# KiCad board noraneko42a.kicad_pcb
date: 2022-09-22
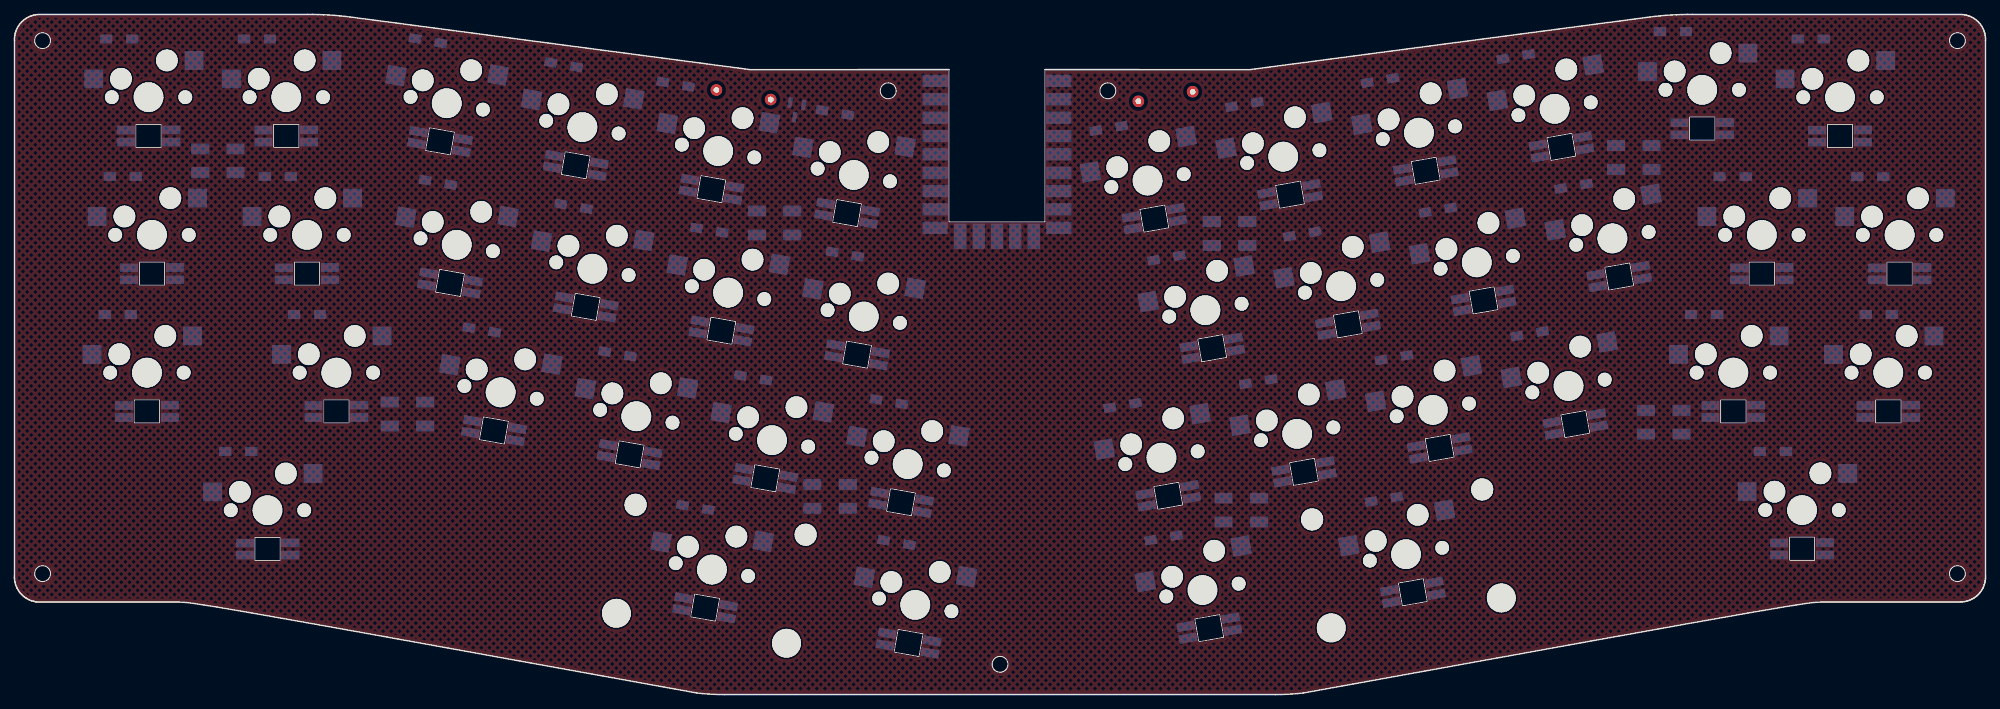
[diagram p0: board, top side]
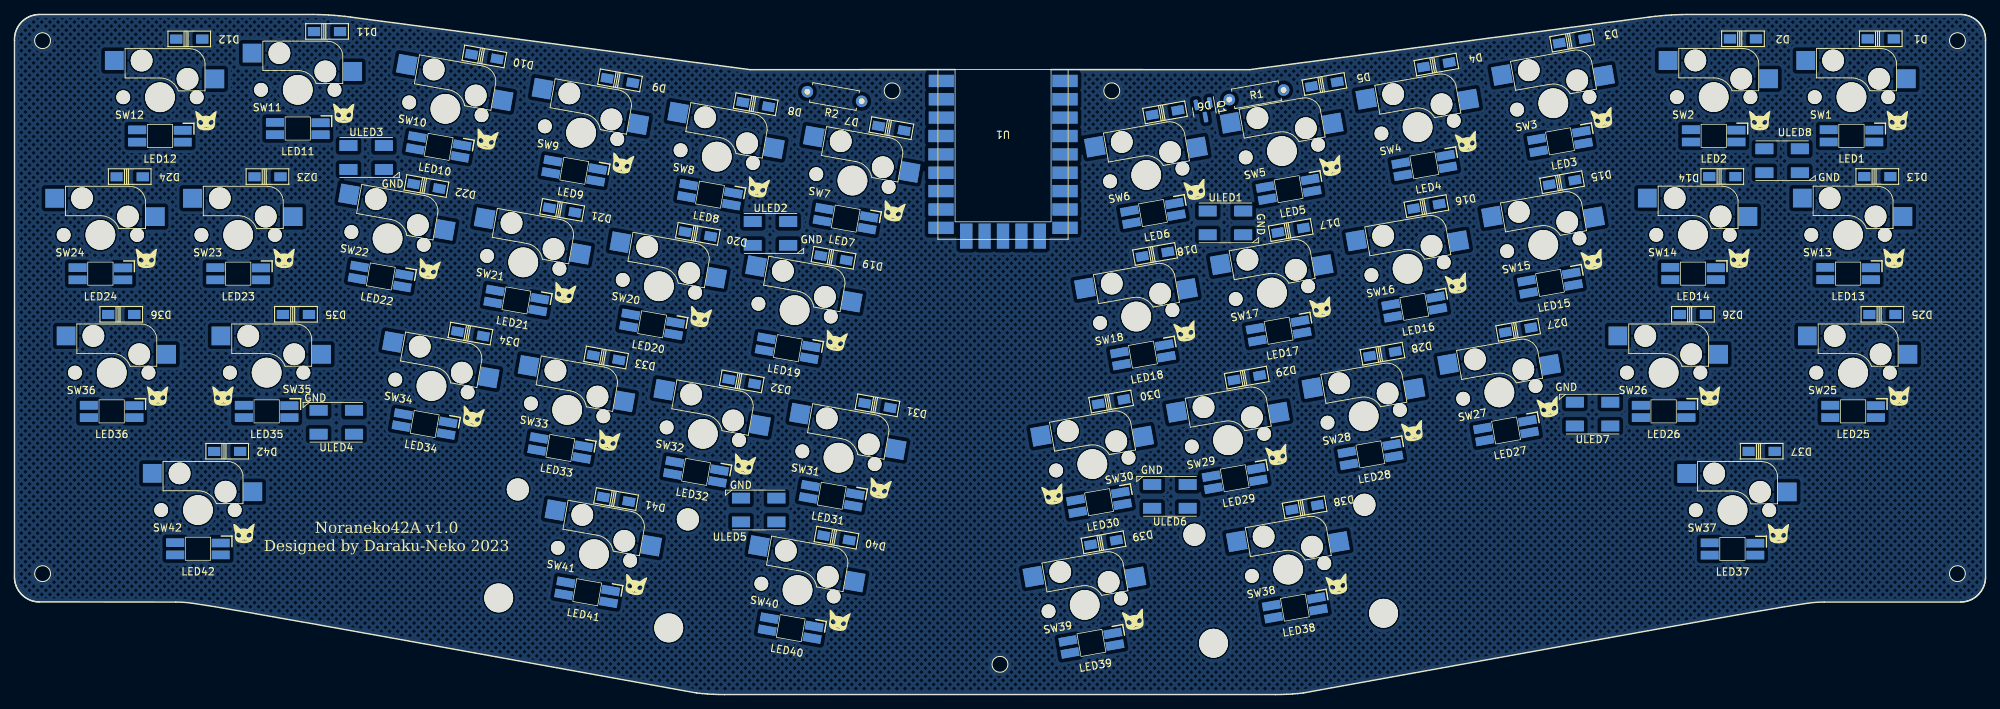
[diagram p1: board, bottom side, seen from below]

Outline 272.54 x 94.09 mm; copper layers: Top, Bottom. Coordinates in mm from the lower left corner of the outline.
Outline path: circle c3.88,90.47 r1.1 ; circle c3.89,16.73 r1.1 ; circle c120.81,83.53 r1.1 ; circle c136.27,4.18 r1.1 ; circle c151.18,83.53 r1.1 ; circle c268.65,16.73 r1.1 ; circle c268.65,90.47 r1.1 ; 22.31,12.8 3.43,12.8 3.26,12.8 3.09,12.82 2.91,12.84 2.74,12.87 2.58,12.91 2.41,12.96 2.25,13.02 2.09,13.08 1.93,13.15 1.78,13.23 1.63,13.32 1.49,13.42 1.35,13.52 1.22,13.63 1.09,13.74 0.96,13.87 0.84,14 0.73,14.13 0.63,14.27 0.53,14.41 0.45,14.56 0.37,14.71 0.29,14.87 0.23,15.03 0.17,15.19 0.12,15.35 0.08,15.52 0.05,15.69 0.02,15.86 0.01,16.03 0,16.21 0,16.38 0,90.51 0,90.68 0.01,90.86 0.02,91.03 0.05,91.2 0.08,91.37 0.12,91.53 0.17,91.7 0.23,91.86 0.29,92.02 0.37,92.18 0.45,92.33 0.54,92.48 0.63,92.62 0.74,92.76 0.85,92.89 0.96,93.02 1.09,93.15 1.22,93.26 1.35,93.37 1.49,93.47 1.63,93.57 1.78,93.65 1.94,93.73 2.09,93.81 2.25,93.87 2.41,93.93 2.58,93.98 2.75,94.02 2.92,94.05 3.09,94.07 3.26,94.08 3.43,94.09 40.5,94.09 41.24,94.09 41.98,94.08 42.72,94.06 43.46,94.02 44.2,93.97 44.93,93.91 45.67,93.83 46.41,93.74 97.21,87.05 101.73,86.46 129.21,86.47 ; 94.32,0.22 95.09,0.14 95.87,0.08 96.64,0.03 97.41,0.01 98.19,0 174.35,0 175.12,0.01 175.9,0.03 176.67,0.08 177.45,0.14 178.22,0.22 ; 142.48,86.47 170.81,86.46 175.33,87.05 226.13,93.74 226.87,93.83 227.6,93.91 228.34,93.97 229.08,94.02 229.82,94.06 230.56,94.08 231.3,94.09 232.04,94.09 269.1,94.09 269.28,94.08 269.45,94.07 269.62,94.05 269.79,94.02 269.96,93.98 270.13,93.93 270.29,93.87 270.45,93.81 270.6,93.73 270.76,93.65 270.9,93.57 271.05,93.47 271.19,93.37 271.32,93.26 271.45,93.15 271.58,93.02 271.69,92.89 271.8,92.76 271.91,92.62 272,92.48 272.09,92.33 272.17,92.18 272.24,92.02 272.31,91.86 272.37,91.7 272.42,91.53 272.46,91.37 272.49,91.2 272.51,91.03 272.53,90.86 272.54,90.68 272.54,90.51 272.54,16.4 272.54,16.23 272.53,16.05 272.51,15.88 272.49,15.71 272.46,15.54 272.42,15.37 272.37,15.21 272.31,15.04 272.25,14.89 272.17,14.73 272.09,14.58 272,14.43 271.91,14.29 271.8,14.15 271.69,14.01 271.58,13.88 271.45,13.76 271.32,13.64 271.19,13.54 271.05,13.43 270.9,13.34 270.76,13.25 270.6,13.17 270.45,13.1 270.29,13.04 270.13,12.98 269.96,12.93 269.79,12.89 269.62,12.86 269.45,12.84 269.28,12.82 269.1,12.82 250.23,12.8
Stack: Top 0.035mm / dielectric 1.51mm FR4 er 4.5 / Bottom 0.035mm

## Placement (name value [footprint] x y rotation side)
D1  D  [1N4148W]  14.49 90.7 180 bottom
D2  D  [1N4148W]  33.54 90.7 180 bottom
D3  D  [1N4148W]  57.17 90.44 170 bottom
D4  D  [1N4148W]  75.93 87.13 170 bottom
D5  D  [1N4148W]  91.41 84.44 170 bottom
D6  D  [1N4148W]  113.45 80.52 170 bottom
D7  D  [1N4148W]  151.29 78.34 190 bottom
D8  D  [1N4148W]  170.05 81.65 190 bottom
D9  D  [1N4148W]  188.81 84.96 190 bottom
D10  D  [1N4148W]  207.58 88.26 190 bottom
D11  D  [1N4148W]  229.32 91.72 180 bottom
D12  D  [1N4148W]  248.37 90.69 180 bottom
D13  D  [1N4148W]  14.96 71.65 180 bottom
D14  D  [1N4148W]  36.39 71.65 180 bottom
D15  D  [1N4148W]  58.55 70.85 170 bottom
D16  D  [1N4148W]  77.31 67.55 170 bottom
D17  D  [1N4148W]  96.07 64.24 170 bottom
D18  D  [1N4148W]  114.83 60.93 170 bottom
D19  D  [1N4148W]  159.29 60.41 190 bottom
D20  D  [1N4148W]  178.05 63.71 190 bottom
D21  D  [1N4148W]  196.81 67.02 190 bottom
D22  D  [1N4148W]  215.57 70.33 190 bottom
D23  D  [1N4148W]  237.56 71.64 180 bottom
D24  D  [1N4148W]  256.61 71.64 180 bottom
D25  D  [1N4148W]  14.27 52.59 180 bottom
D26  D  [1N4148W]  40.46 52.59 180 bottom
D27  D  [1N4148W]  64.62 50.44 170 bottom
D28  D  [1N4148W]  83.38 47.13 170 bottom
D29  D  [1N4148W]  102.14 43.82 170 bottom
D30  D  [1N4148W]  120.9 40.52 170 bottom
D31  D  [1N4148W]  153.22 39.99 190 bottom
D32  D  [1N4148W]  171.98 43.3 190 bottom
D33  D  [1N4148W]  190.74 46.61 190 bottom
D34  D  [1N4148W]  209.5 49.92 190 bottom
D35  D  [1N4148W]  233.62 52.59 180 bottom
D36  D  [1N4148W]  257.77 52.59 180 bottom
D37  D  [1N4148W]  30.95 33.65 180 bottom
D38  D  [1N4148W]  94.15 25.89 170 bottom
D39  D  [1N4148W]  121.96 21.04 170 bottom
D40  D  [1N4148W]  158.89 21.68 190 bottom
D41  D  [1N4148W]  189.36 27.02 190 bottom
D42  D  [1N4148W]  243.12 33.64 180 bottom
LED1  -  [SK6812MINI-E]  18.54 77.29 0 bottom
LED2  -  [SK6812MINI-E]  37.59 77.29 0 bottom
LED3  -  [SK6812MINI-E]  58.84 76.54 350 bottom
LED4  -  [SK6812MINI-E]  77.6 73.23 350 bottom
LED5  -  [SK6812MINI-E]  96.36 69.92 350 bottom
LED6  -  [SK6812MINI-E]  115.12 66.61 350 bottom
LED7  -  [SK6812MINI-E]  157.61 65.85 10 bottom
LED8  -  [SK6812MINI-E]  176.37 69.16 10 bottom
LED9  -  [SK6812MINI-E]  195.13 72.47 10 bottom
LED10  -  [SK6812MINI-E]  213.89 75.77 10 bottom
LED11  -  [SK6812MINI-E]  233.37 78.31 0 bottom
LED12  -  [SK6812MINI-E]  252.42 77.28 0 bottom
LED13  -  [SK6812MINI-E]  19.01 58.24 0 bottom
LED14  -  [SK6812MINI-E]  40.44 58.24 0 bottom
LED15  -  [SK6812MINI-E]  60.22 56.95 350 bottom
LED16  -  [SK6812MINI-E]  78.98 53.64 350 bottom
LED17  -  [SK6812MINI-E]  97.74 50.33 350 bottom
LED18  -  [SK6812MINI-E]  116.5 47.03 350 bottom
LED19  -  [SK6812MINI-E]  165.61 47.92 10 bottom
LED20  -  [SK6812MINI-E]  184.37 51.22 10 bottom
LED21  -  [SK6812MINI-E]  203.13 54.53 10 bottom
LED22  -  [SK6812MINI-E]  221.89 57.84 10 bottom
LED23  -  [SK6812MINI-E]  241.61 58.23 0 bottom
LED24  -  [SK6812MINI-E]  260.66 58.23 0 bottom
LED25  -  [SK6812MINI-E]  18.32 39.18 0 bottom
LED26  -  [SK6812MINI-E]  44.51 39.18 0 bottom
LED27  -  [SK6812MINI-E]  66.29 36.54 350 bottom
LED28  -  [SK6812MINI-E]  85.06 33.23 350 bottom
LED29  -  [SK6812MINI-E]  103.82 29.92 350 bottom
LED30  SK6812MINI-E  [SK6812MINI-E_cat_right]  122.58 26.61 350 bottom
LED31  -  [SK6812MINI-E]  159.54 27.5 10 bottom
LED32  -  [SK6812MINI-E]  178.3 30.81 10 bottom
LED33  -  [SK6812MINI-E]  197.06 34.12 10 bottom
LED34  -  [SK6812MINI-E]  215.82 37.43 10 bottom
LED35  SK6812MINI-E  [SK6812MINI-E_cat_right]  237.67 39.18 0 bottom
LED36  -  [SK6812MINI-E]  259.1 39.18 0 bottom
LED37  -  [SK6812MINI-E]  34.99 20.14 0 bottom
LED38  -  [SK6812MINI-E]  95.5 12.02 350 bottom
LED39  -  [SK6812MINI-E]  123.63 7.13 350 bottom
LED40  -  [SK6812MINI-E]  165.21 9.19 10 bottom
LED41  -  [SK6812MINI-E]  193.35 14.15 10 bottom
LED42  -  [SK6812MINI-E]  247.17 20.17 0 bottom
Q1  BSS138  [SOT-23]  108.02 80.81 260 bottom
R1  1K  [R_Axial_DIN0207_L6.3mm_D2.5mm_P7.62mm_Horizontal]  97.05 83.64 350 bottom
R2  1K  [R_Axial_DIN0207_L6.3mm_D2.5mm_P7.62mm_Horizontal]  155.4 82.08 10 bottom
SW1  SW_Push  [MX_Socket]  18.54 82.65 0 top
SW2  SW_Push  [MX_Socket]  37.59 82.65 0 top
SW3  SW_Push  [MX_Socket]  59.77 81.81 350 top
SW4  SW_Push  [MX_Socket]  78.53 78.5 350 top
SW5  SW_Push  [MX_Socket]  97.29 75.19 350 top
SW6  SW_Push  [MX_Socket]  116.05 71.89 350 top
SW7  SW_Push  [MX_Socket]  156.67 71.11 10 top
SW8  SW_Push  [MX_Socket]  175.43 74.42 10 top
SW9  SW_Push  [MX_Socket]  194.19 77.73 10 top
SW10  SW_Push  [MX_Socket]  212.95 81.04 10 top
SW11  SW_Push  [MX_Socket]  233.37 83.67 0 top
SW12  SW_Push  [MX_Socket]  252.42 82.64 0 top
SW13  SW_Push  [MX_Socket_1.25U]  19.01 63.6 0 top
SW14  SW_Push  [MX_Socket]  40.44 63.6 0 top
SW15  SW_Push  [MX_Socket]  61.15 62.22 350 top
SW16  SW_Push  [MX_Socket]  79.91 58.91 350 top
SW17  SW_Push  [MX_Socket]  98.67 55.61 350 top
SW18  SW_Push  [MX_Socket]  117.43 52.3 350 top
SW19  SW_Push  [MX_Socket]  164.67 53.18 10 top
SW20  SW_Push  [MX_Socket]  183.43 56.49 10 top
SW21  SW_Push  [MX_Socket]  202.19 59.8 10 top
SW22  SW_Push  [MX_Socket]  220.95 63.11 10 top
SW23  SW_Push  [MX_Socket]  241.61 63.59 0 top
SW24  SW_Push  [MX_Socket]  260.66 63.59 0 top
SW25  SW_Push  [MX_Socket_1.75U]  18.32 44.54 0 top
SW26  SW_Push  [MX_Socket]  44.51 44.54 0 top
SW27  SW_Push  [MX_Socket]  67.22 41.81 350 top
SW28  SW_Push  [MX_Socket]  85.98 38.5 350 top
SW29  SW_Push  [MX_Socket]  104.74 35.19 350 top
SW30  SW_Push  [MX_Socket]  123.5 31.88 350 top
SW31  SW_Push  [MX_Socket]  158.6 32.77 10 top
SW32  SW_Push  [MX_Socket]  177.36 36.07 10 top
SW33  SW_Push  [MX_Socket]  196.12 39.38 10 top
SW34  SW_Push  [MX_Socket]  214.88 42.69 10 top
SW35  SW_Push  [MX_Socket]  237.67 44.54 0 top
SW36  SW_Push  [MX_Socket_1.25U]  259.09 44.54 0 top
SW37  SW_Push  [MX_Socket_1.25U]  34.98 25.5 0 top
SW38  SW_Push  [MX_Socket_2.0U]  96.43 17.29 350 top
SW39  SW_Push  [MX_Socket]  124.56 12.41 350 top
SW40  SW_Push  [MX_Socket]  164.27 14.46 10 top
SW41  SW_Push  [MX_Socket_2.0U]  192.41 19.42 10 top
SW42  SW_Push  [MX_Socket_1.25U]  247.17 25.52 0 top
U1  RP2040-Zero  [RP2040-Zero-SMD]  135.85 75.49 180 bottom
ULED1  SK6812MINI-E  [WS2812B_PLCC4_5.0x5.0mm]  105.09 65.25 180 bottom
ULED2  SK6812MINI-E  [WS2812B_PLCC4_5.0x5.0mm]  168 63.79 180 bottom
ULED3  SK6812MINI-E  [WS2812B_PLCC4_5.0x5.0mm]  223.9 74.3 180 bottom
ULED4  SK6812MINI-E  [WS2812B_PLCC4_5.0x5.0mm]  228.04 37.67 0 bottom
ULED5  SK6812MINI-E  [WS2812B_PLCC4_5.0x5.0mm]  169.63 25.53 0 bottom
ULED6  SK6812MINI-E  [WS2812B_PLCC4_5.0x5.0mm]  112.77 27.42 0 bottom
ULED7  SK6812MINI-E  [WS2812B_PLCC4_5.0x5.0mm]  54.33 38.8 0 bottom
ULED8  SK6812MINI-E  [WS2812B_PLCC4_5.0x5.0mm]  28.12 73.85 180 bottom

## Library data of the parts
D1-D42 = -: Description: Diode, small symbol; LCSC: C81598; Sim.Pins: 1=K 2=A
Q1 = -: Description: 50V Vds, 0.22A Id, N-Channel MOSFET, SOT-23; LCSC: C2874697
R1 R2 = -: Description: Resistor
SW1-SW42 = -: Description: Push button switch, generic, two pins
ULED1-ULED8 = -: LCSC: C2843785; Field5: 1

## Footprints (pads in the part's own frame, mm; a bottom-side part is the same pattern mirrored in y, then rotated)
1N4148W
  rect 1.7x1.25 smd: 1(-1.8,0) 2(1.8,0)
MX_Socket
  round 1.9 hole 1.9 unplated: (-5.08,0) (5.08,0)
  round 3 hole 3 unplated: (-3.81,2.54) (2.54,5.08)
  round 4.1 hole 4.1 unplated: (0,0)
  rect 2.6x2.6 smd far side: 1(6.314,5.079) 2(-7.586,2.539)
MX_Socket_1.25U
  round 1.9 hole 1.9 unplated: (-5.08,0) (5.08,0)
  round 3 hole 3 unplated: (-3.81,2.54) (2.54,5.08)
  round 4.1 hole 4.1 unplated: (0,0)
  rect 2.6x2.6 smd far side: 1(6.314,5.079) 2(-7.586,2.539)
MX_Socket_1.75U
  round 1.9 hole 1.9 unplated: (-5.08,0) (5.08,0)
  round 3 hole 3 unplated: (-3.81,2.54) (2.54,5.08)
  round 4.1 hole 4.1 unplated: (0,0)
  rect 2.6x2.6 smd far side: 1(6.314,5.079) 2(-7.586,2.539)
MX_Socket_2.0U
  round 3.048 hole 3.048 unplated: (-11.948,6.995) (11.928,6.995)
  round 3.988 hole 3.988 unplated: (-11.948,-8.245) (11.928,-8.245)
  round 1.9 hole 1.9 unplated: (-5.08,0) (5.08,0)
  round 3 hole 3 unplated: (-3.81,2.54) (2.54,5.08)
  round 4.1 hole 4.1 unplated: (0,0)
  rect 2.6x2.6 smd far side: 1(6.314,5.079) 2(-7.586,2.539)
R_Axial_DIN0207_L6.3mm_D2.5mm_P7.62mm_Horizontal
  round 1.6 hole 0.8: 1(0,0)
  oval 1.6x1.6 hole 0.8: 2(7.62,0)
RP2040-Zero-SMD
  rect 3.5x1.7 smd: 0(9.47,9.41) 1(9.47,6.87) 2(9.47,4.33) 3(9.47,1.79) 4(9.47,-0.75) 5(9.47,-3.29) 6(9.47,-5.83) 7(9.47,-8.37) 8(9.47,-10.91) 14(-9.46,-10.91) 15(-9.46,-8.37) 26(-9.46,-5.83) 27(-9.46,-3.29) 28(-9.46,-0.75) 29(-9.46,1.79) 30(-9.43,4.33) 31(-9.43,6.87) 32(-9.43,9.41)
  rect 1.7x3.5 smd: 9(5.08,-12.96) 10(2.54,-12.96) 11(0,-12.96) 12(-2.54,-12.96) 13(-5.08,-12.96)
SK6812MINI-E
  rect 2.5x1.2 smd: 1(3.15,0.85) 2(3.15,-0.85) 3(-3.15,-0.8) 4(-3.15,0.85)
SK6812MINI-E_cat_right
  rect 2.5x1.2 smd: 1(3.15,0.85) 2(3.15,-0.85) 3(-3.15,-0.8) 4(-3.15,0.85)
SOT-23
  rrect 1.475x0.6 smd: 1(-0.938,0.95) 2(-0.938,-0.95) 3(0.938,0)
WS2812B_PLCC4_5.0x5.0mm
  rect 2.5x1.5 smd: 1(-2.45,1.65) 2(-2.45,-1.65) 3(2.45,-1.65) 4(2.45,1.65)

## Nets
+3.3V: Q1.1 R1.1 U1.30
+5V: LED1.1 LED2.1 LED3.1 LED4.1 LED5.1 LED6.1 LED7.1 LED8.1 LED9.1 LED10.1 LED11.1 LED12.1 LED13.1 LED14.1 LED15.1 LED16.1 LED17.1 LED18.1 LED19.1 LED20.1 LED21.1 LED22.1 LED23.1 LED24.1 LED25.1 LED26.1 LED27.1 LED28.1 LED29.1 LED30.1 LED31.1 LED32.1 LED33.1 LED34.1 LED35.1 LED36.1 LED37.1 LED38.1 LED39.1 LED40.1 LED41.1 LED42.1 R2.1 U1.32 ULED1.1 ULED2.1 ULED3.1 ULED4.1 ULED5.1 ULED6.1 ULED7.1 ULED8.1
GND: LED1.3 LED2.3 LED3.3 LED4.3 LED5.3 LED6.3 LED7.3 LED8.3 LED9.3 LED10.3 LED11.3 LED12.3 LED13.3 LED14.3 LED15.3 LED16.3 LED17.3 LED18.3 LED19.3 LED20.3 LED21.3 LED22.3 LED23.3 LED24.3 LED25.3 LED26.3 LED27.3 LED28.3 LED29.3 LED30.3 LED31.3 LED32.3 LED33.3 LED34.3 LED35.3 LED36.3 LED37.3 LED38.3 LED39.3 LED40.3 LED41.3 LED42.3 U1.31 ULED1.3 ULED2.3 ULED3.3 ULED4.3 ULED5.3 ULED6.3 ULED7.3 ULED8.3
COL0: SW1.1 SW13.1 SW25.1 SW37.1 U1.1
COL1: SW2.1 SW14.1 SW26.1 U1.2
COL2: SW3.1 SW15.1 SW27.1 U1.3
COL3: SW4.1 SW16.1 SW28.1 SW38.1 U1.4
COL4: SW5.1 SW17.1 SW29.1 U1.5
COL5: SW6.1 SW18.1 SW30.1 SW39.1 U1.6
COL6: SW7.1 SW19.1 SW31.1 SW40.1 U1.7
COL7: SW8.1 SW20.1 SW32.1 SW41.1 U1.8
COL8: SW9.1 SW21.1 SW33.1 U1.9
COL9: SW10.1 SW22.1 SW34.1 U1.10
COL10: SW11.1 SW23.1 SW35.1 SW42.1 U1.11
COL11: SW12.1 SW24.1 SW36.1 U1.12
LED3.3V: Q1.2 R1.2 U1.0
LED5V: Q1.3 R2.2 ULED1.4
ROW0: D1.1 D2.1 D3.1 D4.1 D5.1 D6.1 D7.1 D8.1 D9.1 D10.1 D11.1 D12.1 U1.15
ROW1: D13.1 D14.1 D15.1 D16.1 D17.1 D18.1 D19.1 D20.1 D21.1 D22.1 D23.1 D24.1 U1.26
ROW2: D25.1 D26.1 D27.1 D28.1 D29.1 D30.1 D31.1 D32.1 D33.1 D34.1 D35.1 D36.1 U1.27
ROW3: D37.1 D38.1 D39.1 D40.1 D41.1 D42.1 U1.28
Net-(D1-A): D1.2 SW1.2
Net-(D2-A): D2.2 SW2.2
Net-(D3-A): D3.2 SW3.2
Net-(D4-A): D4.2 SW4.2
Net-(D5-A): D5.2 SW5.2
Net-(D6-A): D6.2 SW6.2
Net-(D7-A): D7.2 SW7.2
Net-(D8-A): D8.2 SW8.2
Net-(D9-A): D9.2 SW9.2
Net-(D10-A): D10.2 SW10.2
Net-(D11-A): D11.2 SW11.2
Net-(D12-A): D12.2 SW12.2
Net-(D13-A): D13.2 SW13.2
Net-(D14-A): D14.2 SW14.2
Net-(D15-A): D15.2 SW15.2
Net-(D16-A): D16.2 SW16.2
Net-(D17-A): D17.2 SW17.2
Net-(D18-A): D18.2 SW18.2
Net-(D19-A): D19.2 SW19.2
Net-(D20-A): D20.2 SW20.2
Net-(D21-A): D21.2 SW21.2
Net-(D22-A): D22.2 SW22.2
Net-(D23-A): D23.2 SW23.2
Net-(D24-A): D24.2 SW24.2
Net-(D25-A): D25.2 SW25.2
Net-(D26-A): D26.2 SW26.2
Net-(D27-A): D27.2 SW27.2
Net-(D28-A): D28.2 SW28.2
Net-(D29-A): D29.2 SW29.2
Net-(D30-A): D30.2 SW30.2
Net-(D31-A): D31.2 SW31.2
Net-(D32-A): D32.2 SW32.2
Net-(D33-A): D33.2 SW33.2
Net-(D34-A): D34.2 SW34.2
Net-(D35-A): D35.2 SW35.2
Net-(D36-A): D36.2 SW36.2
Net-(D37-A): D37.2 SW37.2
Net-(D38-A): D38.2 SW38.2
Net-(D39-A): D39.2 SW39.2
Net-(D40-A): D40.2 SW40.2
Net-(D41-A): D41.2 SW41.2
Net-(D42-A): D42.2 SW42.2
Net-(LED1-DIN): LED1.4 ULED8.2
Net-(LED1-DOUT): LED1.2 LED2.4
Net-(LED2-DOUT): LED2.2 LED3.4
Net-(LED3-DOUT): LED3.2 LED4.4
Net-(LED4-DOUT): LED4.2 LED5.4
Net-(LED5-DOUT): LED5.2 LED6.4
Net-(LED6-DOUT): LED6.2 LED7.4
Net-(LED7-DOUT): LED7.2 LED8.4
Net-(LED8-DOUT): LED8.2 LED9.4
Net-(LED10-DIN): LED9.2 LED10.4
Net-(LED10-DOUT): LED10.2 LED11.4
Net-(LED11-DOUT): LED11.2 LED12.4
Net-(LED12-DOUT): LED12.2 LED13.4
Net-(LED13-DOUT): LED13.2 LED14.4
Net-(LED14-DOUT): LED14.2 LED15.4
Net-(LED15-DOUT): LED15.2 LED16.4
Net-(LED16-DOUT): LED16.2 LED17.4
Net-(LED17-DOUT): LED17.2 LED18.4
Net-(LED18-DOUT): LED18.2 LED19.4
Net-(LED19-DOUT): LED19.2 LED20.4
Net-(LED20-DOUT): LED20.2 LED21.4
Net-(LED21-DOUT): LED21.2 LED22.4
Net-(LED22-DOUT): LED22.2 LED23.4
Net-(LED23-DOUT): LED23.2 LED24.4
Net-(LED24-DOUT): LED24.2 LED25.4
Net-(LED25-DOUT): LED25.2 LED26.4
Net-(LED26-DOUT): LED26.2 LED27.4
Net-(LED27-DOUT): LED27.2 LED28.4
Net-(LED28-DOUT): LED28.2 LED29.4
Net-(LED29-DOUT): LED29.2 LED30.4
Net-(LED30-DOUT): LED30.2 LED31.4
Net-(LED31-DOUT): LED31.2 LED32.4
Net-(LED32-DOUT): LED32.2 LED33.4
Net-(LED33-DOUT): LED33.2 LED34.4
Net-(LED34-DOUT): LED34.2 LED35.4
Net-(LED35-DOUT): LED35.2 LED36.4
Net-(LED36-DOUT): LED36.2 LED37.4
Net-(LED37-DOUT): LED37.2 LED38.4
Net-(LED38-DOUT): LED38.2 LED39.4
Net-(LED39-DOUT): LED39.2 LED40.4
Net-(LED40-DOUT): LED40.2 LED41.4
Net-(LED41-DOUT): LED41.2 LED42.4
Net-(ULED1-DOUT): ULED1.2 ULED2.4
Net-(ULED2-DOUT): ULED2.2 ULED3.4
Net-(ULED3-DOUT): ULED3.2 ULED4.4
Net-(ULED4-DOUT): ULED4.2 ULED5.4
Net-(ULED5-DOUT): ULED5.2 ULED6.4
Net-(ULED6-DOUT): ULED6.2 ULED7.4
Net-(ULED7-DOUT): ULED7.2 ULED8.4

Pads without a net: LED42 2; U1 13 14 29

## Copper pours and planes (outline as drawn; the poured copper is in the pictures)
(no net) on Top, Bottom: 273.74,94.71 273.35,11.54 249.65,11.32 178.14,-1.17 96.52,-2.39 24.37,9.42 -1.26,9.24 -0.6,95.34 47.49,95.4 102.22,87.47 169.87,87.72 229.82,95.31

## Text on the board
B.Silkscreen: Noraneko42A v1.0 / Designed by Daraku-Neko 2023
